# Altium PCB Electronic Load 20251104.PcbDoc (part 3 of 4) (continued)
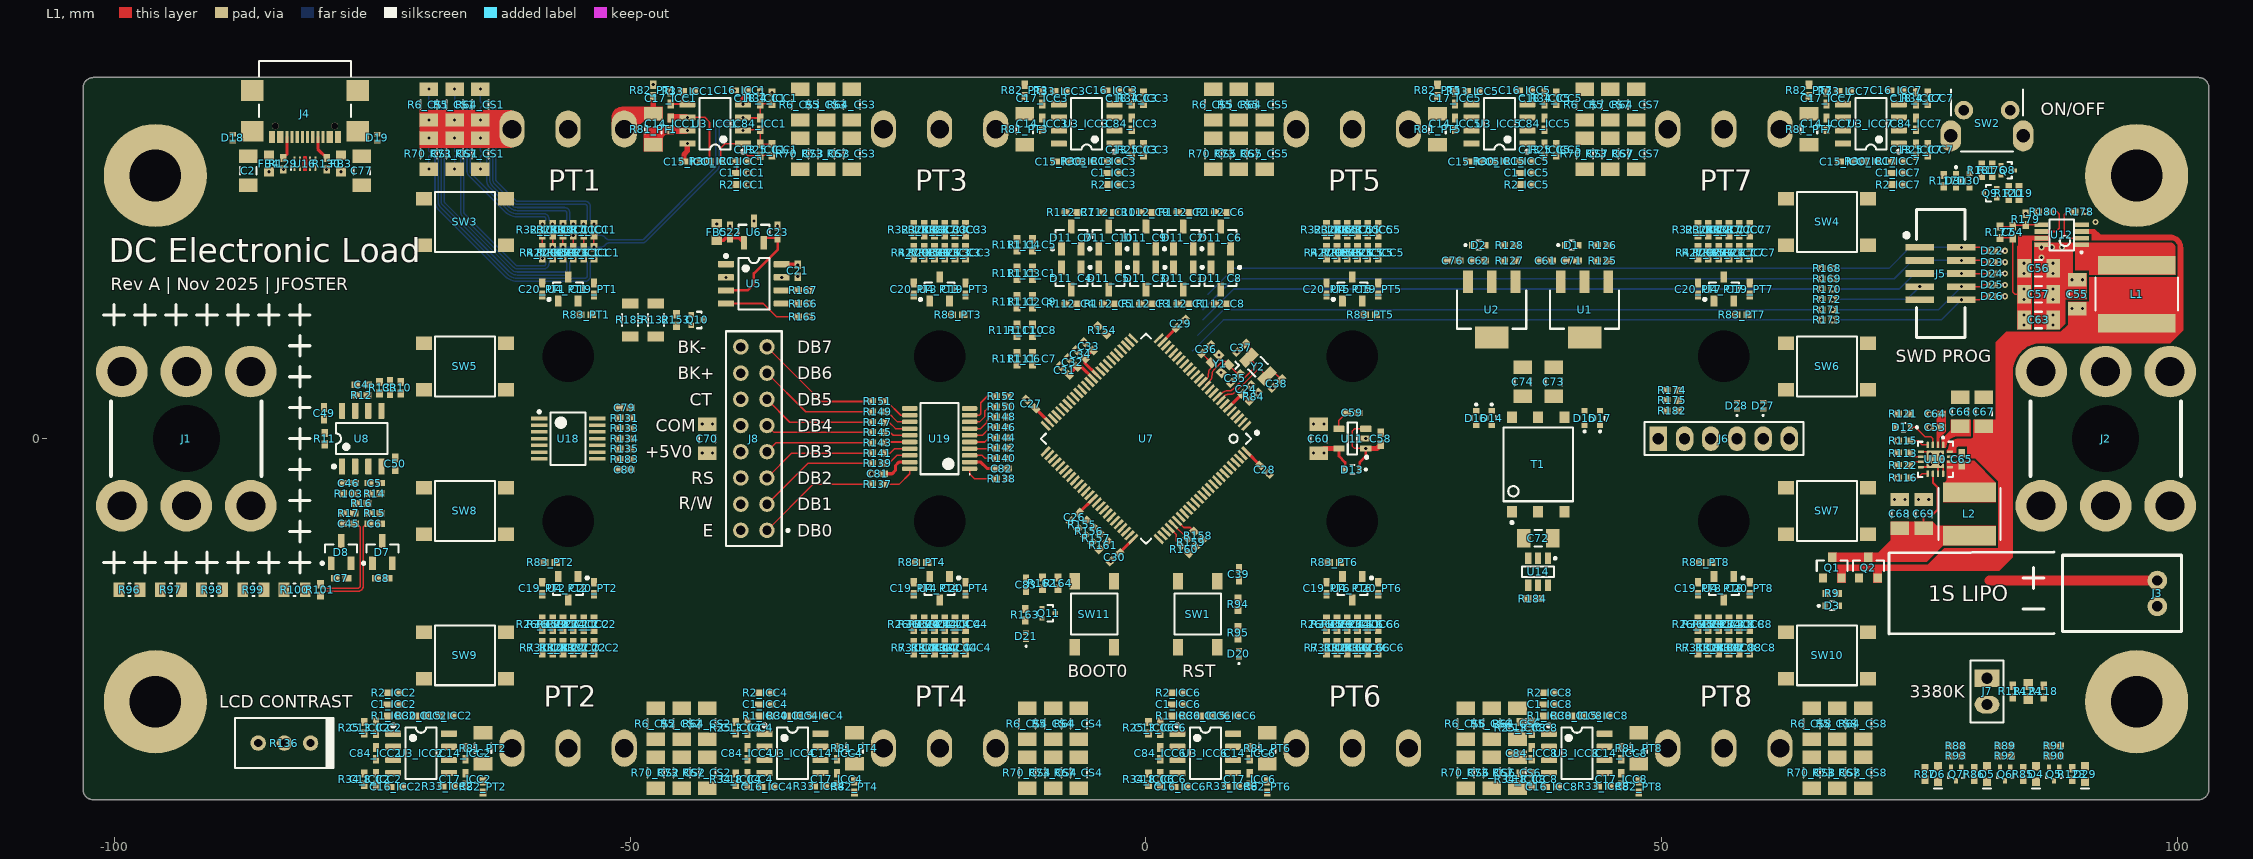
[diagram p0: L1 view]
## Nets (pads, with @x,y where several pads share a name; then routed paths per layer and width w, separated by ;. In a path a pad name is that pad's centre, name@x,y a point inside that pad or via, vN(x,y) a via of type N, cw(c..) or ccw(c..) an arc to the next point about the centre after c; other vN are vias at no path point)
5V0_EN: Q8.3 R178.2 U12.2 | length 4.9
  L1 w0.15: R178.2@89.95,22 89.25,22 89,21.75 89,19.75 89.325,19.425 U12.2@90.725,19.425
+3V00REF: C23.2 FB2.2 U5.3 U6.2 | length 10.2
  L1 w0.25: U5.3@-40.7,14.365 -38.635,14.365 -38,15 -38,16 -35.7,18.3 C23.2@-35.7,19.45 -37.05,19.45 U6.2@-37.05,18.975
+3V3: C20_PT1.2 C20_PT2.2 C20_PT3.2 C20_PT4.2 C20_PT5.2 C20_PT6.2 C20_PT7.2 C20_PT8.2 C21.2 C26.2 C27.2 C28.2 C29.2 C30.2 C60.2 C80.2 C82.2 C83.2 D11_C1.2 D11_C2.2 D11_C3.2 D11_C4.2 D11_C5.2 D11_C6.2 D11_C7.2 D11_C8.2 D11_C9.2 D11_C10.2 D13.2 FB1.2 FB5.2 R84.2 R85.2 R86.2 R87.2 R94.2 R117.2 R121.1 R154.2 R155.2 R156.2 R157.2 R158.2 R159.2 R160.2 R161.2 R162.1 R163.2 R165.1 R172.2 R182.2 U4_PT1.1 U4_PT2.1 U4_PT3.1 U4_PT4.1 U4_PT5.1 U4_PT6.1 U4_PT7.1 U4_PT8.1 U5.8 U7.24 U7.49 U7.64 U7.75 U7.100 U11.5 U18.1 U19.2 | length 18.4
  L1 w0.25: U11.5@18.7,-0.95 18.7,-1.7 19.3,-2.3 D13.2@19.3,-3
  L1 w0.3: U19.2@-17.1,-2.275 -16.01,-2.275 -15.385,-2.9 C82.2@-14.575,-2.9 ; C27.2@-10.73,2.952 U7.49@-9.369,1.591 ; C26.2@-6.488,-7.195 U7.64@-5.127,-5.834 ; C30.2@-2.599,-11.084 U7.75@-1.237,-9.723 ; U7.24@1.591,9.369 C29.2@2.952,10.73 ; U7.100@9.723,-1.237 C28.2@11.084,-2.599
  L1 w0.35: U5.8@-35.3,16.905 -33.81,16.905 v1(-33.75,16.845)
  L1 w0.5: C60.2@16.75,-1.4 17.2,-0.95 U11.5@18.7,-0.95
  other v1: 16.25,-1.4 17.25,-1.4 10.836,4.437 -32.65,11.825 65.45,13.5 -41.6,20.815
+5V0: C54.2 C56.2 C57.2 C58.2 C63.2 C70.2 C72.2 C79.2 C81.2 D13.1 J8.8 R132.2 R136.3 R177.2 R185.2 T1.2 U11.1 U11.3 U12.7 U14.2 U18.14 U19.19 | length 19.1
  L1 w0.15: v1(21.3,-0.95) 20.2,-0.95 20,-0.75 20,0.75 20.2,0.95 U11.3@21.3,0.95 ; R177.2@82.75,19.45 83.975,19.45 C54.2@84,19.425 84,14.2 84.2,14 C57.2@85.1,14
  L1 w0.25: D13.1@20.7,-3 20.7,-2.3 21.3,-1.7 v1(21.3,-0.95)
  L1 w0.3: C81.2@-25.425,-3.4 -24.602,-3.4 -24.268,-3.066 -24.268,-2.595 -23.948,-2.275 U19.19@-22.9,-2.275
  L1 w0.5: v1(21.3,-0.95) 22.375,-0.95 C58.2@22.75,-0.575
  other v1: -43,-1.4 -42,-1.4 85.1,11 85.1,12 85.1,13.5 85.1,14.5 85.1,16 85.1,17
+15VA: C7.2 C8.2 C15_ICC1.2 C15_ICC2.2 C15_ICC3.2 C15_ICC4.2 C15_ICC5.2 C15_ICC6.2 C15_ICC7.2 C15_ICC8.2 C49.2 C71.2 D1.2 D7.2 D8.2 R125.2 U1.2 U1.4 U3_ICC1.8 U3_ICC2.8 U3_ICC3.8 U3_ICC4.8 U3_ICC5.8 U3_ICC6.8 U3_ICC7.8 U3_ICC8.8 U8.8 | length 1.9
  L1 w0.5: C15_ICC1.2@-44.775,26.85 -44.775,27.548 -44.45,27.873 v1(-44.45,28.595)
+19V: C61.2 C73.2 D1.1 D15.2 D17.2 U1.3
-5V0A: C7.1 C8.1 C16_ICC1.2 C16_ICC2.2 C16_ICC3.2 C16_ICC4.2 C16_ICC5.2 C16_ICC6.2 C16_ICC7.2 C16_ICC8.2 C50.2 C76.2 D2.1 D7.1 D8.1 R127.2 U2.3 U3_ICC1.4 U3_ICC2.4 U3_ICC3.4 U3_ICC4.4 U3_ICC5.4 U3_ICC6.4 U3_ICC7.4 U3_ICC8.4 U8.4 | length 1.5
  L1 w0.5: v1(-39.05,32.405) -39.05,32.9 -38.725,33.225 C16_ICC1.2@-38.725,33.75
-19V: C62.2 C74.2 D2.2 D14.1 D16.1 U2.2 U2.4
ADC.CH1: R112_C1.1 U7.20
ADC.CH2: R112_C2.1 U7.21
ADC.CH3: R112_C3.1 U7.22
ADC.CH4: R112_C4.1 U7.25
ADC.CH5: R112_C5.1 U7.27
ADC.CH6: R112_C6.1 U7.15
ADC.CH7: R112_C7.1 U7.16
ADC.CH8: R112_C8.1 U7.17
ADC.CH9: R112_C9.1 U7.18
ADC.CH10: R112_C10.1 U7.30
BOOT0: Q11.3 R162.2 U7.95
BTN.B1: R154.1 SW3.3 SW3.4 U7.31
BTN.B2: R155.1 SW5.3 SW5.4 U7.65
BTN.B3: R156.1 SW8.3 SW8.4 U7.66
BTN.B4: R157.1 SW9.3 SW9.4 U7.67
BTN.B5: R161.1 SW4.3 SW4.4 U7.68
BTN.B6: R160.1 SW6.3 SW6.4 U7.79 | length 2.1
  L1 w0.15: U7.79@2.298,-8.662 2.952,-9.316 2.952,-9.953 R160.1@3.341,-10.341
BTN.B7: R159.1 SW7.3 SW7.4 U7.80 | length 1.9
  L1 w0.15: U7.80@2.652,-8.308 R159.1@4.013,-9.67
BTN.B8: R158.1 SW10.3 SW10.4 U7.81 | length 2.1
  L1 w0.15: U7.81@3.005,-7.955 3.659,-8.609 4.296,-8.609 R158.1@4.685,-8.998
COM: C1_ICC1.1 C1_ICC2.1 C1_ICC3.1 C1_ICC4.1 C1_ICC5.1 C1_ICC6.1 C1_ICC7.1 C1_ICC8.1 C2.1 C3.1 C5.1 C15_ICC1.1 C15_ICC2.1 C15_ICC3.1 C15_ICC4.1 C15_ICC5.1 C15_ICC6.1 C15_ICC7.1 C15_ICC8.1 C16_ICC1.1 C16_ICC2.1 C16_ICC3.1 C16_ICC4.1 C16_ICC5.1 C16_ICC6.1 C16_ICC7.1 C16_ICC8.1 C17_ICC1.1 C17_ICC2.1 C17_ICC3.1 C17_ICC4.1 C17_ICC5.1 C17_ICC6.1 C17_ICC7.1 C17_ICC8.1 C18_ICC1.1 C18_ICC2.1 C18_ICC3.1 C18_ICC4.1 C18_ICC5.1 C18_ICC6.1 C18_ICC7.1 C18_ICC8.1 C19_PT1.1 C19_PT2.1 C19_PT3.1 C19_PT4.1 C19_PT5.1 C19_PT6.1 C19_PT7.1 C19_PT8.1 C20_PT1.1 C20_PT2.1 C20_PT3.1 C20_PT4.1 C20_PT5.1 C20_PT6.1 C20_PT7.1 C20_PT8.1 C21.1 C22.1 C23.1 C24.1 C26.1 C27.1 C28.1 C29.1 C30.1 C31.1 C32.1 C33.1 C34.1 C35.1 C36.1 C37.1 C38.1 C39.1 C49.1 C50.1 C53.1 C55.1 C56.1 C57.1 C58.1 C59.1 C60.1 C61.1 C62.1 C63.1 C64.1 C66.1 C67.1 C68.1 C69.1 C70.1 C71.1 C72.1 C73.1 C74.1 C76.1 C77.1 C79.1 C80.1 C81.1 C82.1 D11_C1.1 D11_C2.1 D11_C3.1 D11_C4.1 D11_C5.1 D11_C6.1 D11_C7.1 D11_C8.1 D11_C9.1 D11_C10.1 D18.2 D19.2 D20.1 D21.1 D22.1 D23.1 D24.1 D25.1 D26.1 D27.2 D28.2 J3.2 J4.0 J4.A1/B12 J4.A12/B1 J5.1 J5.3 J5.5 J5.9 J6.1 J7.2 J8.10 pad.@96,25.5 pad.@96,-25.5 pad.@-96,25.5 pad.@-96,-25.5 Q5.2 Q6.2 Q7.2 Q9.2 Q10.2 Q11.2 R2_ICC1.1 R2_ICC2.1 R2_ICC3.1 R2_ICC4.1 R2_ICC5.1 R2_ICC6.1 R2_ICC7.1 R2_ICC8.1 R9.1 R10.2 R13.1 R14.2 R34_ICC1.1 R34_ICC2.1 R34_ICC3.1 R34_ICC4.1 R34_ICC5.1 R34_ICC6.1 R34_ICC7.1 R34_ICC8.1 R82_PT1.1 R82_PT2.1 R82_PT3.1 R82_PT4.1 R82_PT5.1 R82_PT6.1 R82_PT7.1 R82_PT8.1 R91.1 R92.1 R93.1 R115.1 R116.2 R118.1 R120.2 R124.1 R126.1 R128.1 R129.1 R130.1 R136.1 R153.1 R166.2 R167.2 R178.1 R179.1 R180.1 R183.1 R184.2 SW1.1 SW1.2 SW2.0 SW2.1 SW3.1 SW3.2 SW4.1 SW4.2 SW5.1 SW5.2 SW6.1 SW6.2 SW7.1 SW7.2 SW8.1 SW8.2 SW9.1 SW9.2 SW10.1 SW10.2 SW11.1 SW11.2 T1.5 U4_PT1.3 U4_PT2.3 U4_PT3.3 U4_PT4.3 U4_PT5.3 U4_PT6.3 U4_PT7.3 U4_PT8.3 U5.2 U5.7 U6.3 U7.23 U7.35 U7.48 U7.63 U7.74 U7.99 U10.5 U10.8 U10.11 U10.12 U10.17 U11.2 U12.4 U12.8 U14.4 U14.6 U16.3 U16.4 U16.5 U16.6 U16.7 U16.8 U18.7 U19.11 Y1.2 Y1.4 | length 4
  L1 w0.15: U10.8@75.1,-2.75 75.75,-2.75 v1(76,-2.5) ; U10.5@75.1,-1.25 75.75,-1.25 v1(76,-1.5) ; U10.11@76.75,-3.4 76.75,-2.75 v1(77,-2.5) 77.25,-2.75 U10.12@77.25,-3.4
  other v1: -3.412,-11.897 -7.301,-8.008 72.55,-5.9 73.55,-5.9 74.85,-5.9 75.85,-5.9 72.85,-3.8 -26.575,-3.4 11.897,-3.412 77,-1.5 72.85,-0.2 21.3,0 75.925,1.1 -43,1.4 -42,1.4 16.25,1.4 17.25,1.4 75.925,2.4 20.575,2.5 -11.544,3.765 12.286,4.932 10.129,5.18 8.255,5.427 7.283,6.399 -8.291,7.018 -7.513,7.796 7.071,8.096 8.821,8.397 -6.735,8.574 6.24,9.069 -5.957,9.351 87.9,11 3.765,11.544 87.9,12 -32.65,13.095 87.9,13.5 83.25,13.8 -32.65,14.365 87.9,14.5 83.25,14.9 89.75,15.4 90.75,15.4 -40.7,15.635 -35.3,15.635 -33.75,15.695 83.25,16 87.9,16 87.9,17 83.25,17.1 86.775,17.55 83.25,18.2 86.775,18.55 87.775,18.55 88.775,18.55 -40.3,20.6 -35.7,20.6 92,21 -38,21.075 85.25,21.8 86.45,22 91.05,22 -38.575,24.625 -38.55,25.75 -83.6,26.1 -79.4,26.1 -43.625,26.85 -36.25,33.55 -46.05,33.575 -37.375,33.575 -39.875,33.75 -47.75,34.3
DAC.CS_N: R165.2 U5.4 U7.2 | length 7.5
  L1 w0.15: U5.4@-40.7,13.095 -37.095,13.095 -35.825,11.825 R165.2@-33.75,11.825
DAC.SCLK: R166.1 U5.5 U7.1 | length 1.6
  L1 w0.15: U5.5@-35.3,13.095 R166.1@-33.75,13.095
DAC.SDI: R167.1 U5.6 U7.5 | length 1.6
  L1 w0.15: U5.6@-35.3,14.365 R167.1@-33.75,14.365
FTDI.RXD: D27.1 J6.5 R174.1
FTDI.TXD: D28.1 J6.4 R175.1
GPWR_EN: R184.1 U7.7 U14.5
LATCH: R119.1 U7.71
LCD.BKLT: U7.85 U18.5
LCD.DB0: R138.2 U7.86
LCD.DB1: R140.2 U7.87
LCD.DB2: R142.2 U7.88
LCD.DB3: R144.2 U7.89
LCD.DB4: R146.2 U7.55
LCD.DB5: R148.2 U7.56
LCD.DB6: R150.2 U7.57
LCD.DB7: R152.2 U7.58
LCD.E: U7.84 U18.4
LCD.OE: R183.2 U7.59 U18.8 U19.10
LCD.R/W: U7.83 U18.3
LCD.RS: U7.82 U18.2
LOAD+: J1.1 J1.2 J1.3 J1.4 J1.5 J1.6 Q4_PT1.2 Q4_PT2.2 Q4_PT3.2 Q4_PT4.2 Q4_PT5.2 Q4_PT6.2 Q4_PT7.2 Q4_PT8.2 R96.2
LOAD-: C45.2 J2.1 J2.2 J2.3 J2.4 J2.5 J2.6 NT2_CS1.2 NT2_CS2.2 NT2_CS3.2 NT2_CS4.2 NT2_CS5.2 NT2_CS6.2 NT2_CS7.2 NT2_CS8.2 NT4_CS1.2 NT4_CS2.2 NT4_CS3.2 NT4_CS4.2 NT4_CS5.2 NT4_CS6.2 NT4_CS7.2 NT4_CS8.2 NT6_CS1.2 NT6_CS2.2 NT6_CS3.2 NT6_CS4.2 NT6_CS5.2 NT6_CS6.2 NT6_CS7.2 NT6_CS8.2 NT8_CS1.2 NT8_CS2.2 NT8_CS3.2 NT8_CS4.2 NT8_CS5.2 NT8_CS6.2 NT8_CS7.2 NT8_CS8.2 NT10_CS1.2 NT10_CS2.2 NT10_CS3.2 NT10_CS4.2 NT10_CS5.2 NT10_CS6.2 NT10_CS7.2 NT10_CS8.2 NT12_CS1.2 NT12_CS2.2 NT12_CS3.2 NT12_CS4.2 NT12_CS5.2 NT12_CS6.2 NT12_CS7.2 NT12_CS8.2 R5_CS1.1 R5_CS2.1 R5_CS3.1 R5_CS4.1 R5_CS5.1 R5_CS6.1 R5_CS7.1 R5_CS8.1 R6_CS1.1 R6_CS2.1 R6_CS3.1 R6_CS4.1 R6_CS5.1 R6_CS6.1 R6_CS7.1 R6_CS8.1 R17.1 R64_CS1.1 R64_CS2.1 R64_CS3.1 R64_CS4.1 R64_CS5.1 R64_CS6.1 R64_CS7.1 R64_CS8.1 R67_CS1.1 R67_CS2.1 R67_CS3.1 R67_CS4.1 R67_CS5.1 R67_CS6.1 R67_CS7.1 R67_CS8.1 R70_CS1.1 R70_CS2.1 R70_CS3.1 R70_CS4.1 R70_CS5.1 R70_CS6.1 R70_CS7.1 R70_CS8.1 R73_CS1.1 R73_CS2.1 R73_CS3.1 R73_CS4.1 R73_CS5.1 R73_CS6.1 R73_CS7.1 R73_CS8.1 R101.1 | length 10.5
  L1 w0.15: R101.1@-80,-14.1 -79.6,-14.5 -76.4,-14.5 ccw(c-76.4,-14.25) -76.15,-14.25 -76.15,-8.569 -76.469,-8.25 C45.2@-76.695,-8.25
  other v1: -69.5,26.125 -67,26.125 -64.5,26.125 -69.5,33.875 -67,33.875 -64.5,33.875
NetC1_ICC1_2: C1_ICC1.2 R1_ICC1.1 R2_ICC1.2 R111_C1.2 | length 1.1
  L1 w0.15: C1_ICC1.2@-39.7,25.75 -39.675,25.775 R1_ICC1.1@-39.675,26.875
NetC1_ICC2_2: C1_ICC2.2 R1_ICC2.1 R2_ICC2.2 R111_C2.2
NetC1_ICC3_2: C1_ICC3.2 R1_ICC3.1 R2_ICC3.2 R111_C3.2
NetC1_ICC4_2: C1_ICC4.2 R1_ICC4.1 R2_ICC4.2 R111_C4.2
NetC1_ICC5_2: C1_ICC5.2 R1_ICC5.1 R2_ICC5.2 R111_C5.2
NetC1_ICC6_2: C1_ICC6.2 R1_ICC6.1 R2_ICC6.2 R111_C6.2
NetC1_ICC7_2: C1_ICC7.2 R1_ICC7.1 R2_ICC7.2 R111_C7.2
NetC1_ICC8_2: C1_ICC8.2 R1_ICC8.1 R2_ICC8.2 R111_C8.2
NetC2_2: C2.2 C77.2 D18.1 D19.1 FB3.1 FB4.1 J4.A4/B9 J4.A9/B4
NetC3_2: C3.2 R10.1 R11.2 U8.5
NetC4_1: C4.1 R12.2 R111_C9.2 U8.7
NetC4_2: C4.2 R12.1 R13.2 U8.6
NetC5_2: C5.2 C6.1 D7.3 R14.1 R15.2 R16.2 U8.3
NetC6_2: C6.2 R15.1 R100.1 R101.2 | length 11
  L1 w0.15: R101.2@-80,-15.2 -79.6,-14.8 -76.4,-14.8 ccw(c-76.4,-14.25) -75.85,-14.25 -75.85,-8.569 -75.531,-8.25 C6.2@-75.305,-8.25
NetC13_ICC1_1: C13_ICC1.1 R1_ICC1.2 R25_ICC1.1 R30_ICC1.2 U3_ICC1.1 | length 7.9
  L1 w0.15: R30_ICC1.2@-41.2,26.875 -41.2,28.175 -40.78,28.595 U3_ICC1.1@-39.05,28.595 -39.05,27.9 -38.575,27.425 ; R1_ICC1.2@-38.575,26.875 -38.575,27.425 ; R25_ICC1.1@-36.25,27.45 -37.35,27.45 C13_ICC1.1@-37.375,27.425 -38.575,27.425
NetC13_ICC1_2: C13_ICC1.2 C84_ICC1.2 R3_ICC1.1 R7_ICC1.1 R25_ICC1.2 R26_ICC1.1 R27_ICC1.1 R28_ICC1.1 R29_ICC1.1 U3_ICC1.2 | length 33.4
  L1 w0.15: v1(-57.5,18.55) R3_ICC1.1@-57.5,19.7 ; v1(-56.5,18.55) R28_ICC1.1@-56.5,19.7 ; v1(-53.5,18.55) R7_ICC1.1@-53.5,19.7 ; v1(-39.05,29.865) -38.99,29.925 C84_ICC1.2@-37.375,29.925 C13_ICC1.2@-37.375,28.575 -37.35,28.55 R25_ICC1.2@-36.25,28.55
  L6 w0.15: v1(-57.5,18.55) v1(-56.5,18.55) v1(-53.5,18.55) -52.839,18.55 ccw(c-52.839,19.05) -52.486,18.696 -52.354,18.829 cw(c-52,18.475) -52,18.975 -48.808,18.975 ccw(c-48.808,19.475) -48.454,19.121 -41.521,26.054 ccw(c-41.875,26.408) -41.375,26.408 -41.375,30.15 cw(c-41.175,30.15) -41.175,30.35 -39.742,30.35 cw(c-39.742,29.85) -39.389,30.204 v1(-39.05,29.865)
NetC13_ICC2_1: C13_ICC2.1 R1_ICC2.2 R25_ICC2.1 R30_ICC2.2 U3_ICC2.1
NetC13_ICC2_2: C13_ICC2.2 C84_ICC2.2 R3_ICC2.1 R7_ICC2.1 R25_ICC2.2 R26_ICC2.1 R27_ICC2.1 R28_ICC2.1 R29_ICC2.1 U3_ICC2.2
NetC13_ICC3_1: C13_ICC3.1 R1_ICC3.2 R25_ICC3.1 R30_ICC3.2 U3_ICC3.1
NetC13_ICC3_2: C13_ICC3.2 C84_ICC3.2 R3_ICC3.1 R7_ICC3.1 R25_ICC3.2 R26_ICC3.1 R27_ICC3.1 R28_ICC3.1 R29_ICC3.1 U3_ICC3.2
NetC13_ICC4_1: C13_ICC4.1 R1_ICC4.2 R25_ICC4.1 R30_ICC4.2 U3_ICC4.1
NetC13_ICC4_2: C13_ICC4.2 C84_ICC4.2 R3_ICC4.1 R7_ICC4.1 R25_ICC4.2 R26_ICC4.1 R27_ICC4.1 R28_ICC4.1 R29_ICC4.1 U3_ICC4.2
NetC13_ICC5_1: C13_ICC5.1 R1_ICC5.2 R25_ICC5.1 R30_ICC5.2 U3_ICC5.1
NetC13_ICC5_2: C13_ICC5.2 C84_ICC5.2 R3_ICC5.1 R7_ICC5.1 R25_ICC5.2 R26_ICC5.1 R27_ICC5.1 R28_ICC5.1 R29_ICC5.1 U3_ICC5.2
NetC13_ICC6_1: C13_ICC6.1 R1_ICC6.2 R25_ICC6.1 R30_ICC6.2 U3_ICC6.1
NetC13_ICC6_2: C13_ICC6.2 C84_ICC6.2 R3_ICC6.1 R7_ICC6.1 R25_ICC6.2 R26_ICC6.1 R27_ICC6.1 R28_ICC6.1 R29_ICC6.1 U3_ICC6.2
NetC13_ICC7_1: C13_ICC7.1 R1_ICC7.2 R25_ICC7.1 R30_ICC7.2 U3_ICC7.1
NetC13_ICC7_2: C13_ICC7.2 C84_ICC7.2 R3_ICC7.1 R7_ICC7.1 R25_ICC7.2 R26_ICC7.1 R27_ICC7.1 R28_ICC7.1 R29_ICC7.1 U3_ICC7.2
NetC13_ICC8_1: C13_ICC8.1 R1_ICC8.2 R25_ICC8.1 R30_ICC8.2 U3_ICC8.1
NetC13_ICC8_2: C13_ICC8.2 C84_ICC8.2 R3_ICC8.1 R7_ICC8.1 R25_ICC8.2 R26_ICC8.1 R27_ICC8.1 R28_ICC8.1 R29_ICC8.1 U3_ICC8.2
NetC14_ICC1_1: C14_ICC1.1 R30_ICC1.1 U3_ICC1.6 | length 6.1
  L1 w0.15: v1(-44.45,31.135) -42.76,31.135 -42.3,30.675 R30_ICC1.1@-42.3,26.875
NetC14_ICC1_2: C14_ICC1.2 R81_PT1.1 U3_ICC1.7
  other v1: -44.45,29.865
NetC14_ICC2_1: C14_ICC2.1 R30_ICC2.1 U3_ICC2.6
NetC14_ICC2_2: C14_ICC2.2 R81_PT2.1 U3_ICC2.7
NetC14_ICC3_1: C14_ICC3.1 R30_ICC3.1 U3_ICC3.6
NetC14_ICC3_2: C14_ICC3.2 R81_PT3.1 U3_ICC3.7
NetC14_ICC4_1: C14_ICC4.1 R30_ICC4.1 U3_ICC4.6
NetC14_ICC4_2: C14_ICC4.2 R81_PT4.1 U3_ICC4.7
NetC14_ICC5_1: C14_ICC5.1 R30_ICC5.1 U3_ICC5.6
NetC14_ICC5_2: C14_ICC5.2 R81_PT5.1 U3_ICC5.7
NetC14_ICC6_1: C14_ICC6.1 R30_ICC6.1 U3_ICC6.6
NetC14_ICC6_2: C14_ICC6.2 R81_PT6.1 U3_ICC6.7
NetC14_ICC7_1: C14_ICC7.1 R30_ICC7.1 U3_ICC7.6
NetC14_ICC7_2: C14_ICC7.2 R81_PT7.1 U3_ICC7.7
NetC14_ICC8_1: C14_ICC8.1 R30_ICC8.1 U3_ICC8.6
NetC14_ICC8_2: C14_ICC8.2 R81_PT8.1 U3_ICC8.7
NetC17_ICC1_2: C17_ICC1.2 R33_ICC1.2 U3_ICC1.5 | length 2.9
  L1 w0.2: C17_ICC1.2@-46.05,32.425 U3_ICC1.5@-44.9,32.425 ; R33_ICC1.2@-44.9,33.675 U3_ICC1.5@-44.9,32.425 ; U3_ICC1.5@-44.45,32.405 -44.47,32.425 U3_ICC1.5@-44.9,32.425
NetC17_ICC2_2: C17_ICC2.2 R33_ICC2.2 U3_ICC2.5
NetC17_ICC3_2: C17_ICC3.2 R33_ICC3.2 U3_ICC3.5
NetC17_ICC4_2: C17_ICC4.2 R33_ICC4.2 U3_ICC4.5
NetC17_ICC5_2: C17_ICC5.2 R33_ICC5.2 U3_ICC5.5
NetC17_ICC6_2: C17_ICC6.2 R33_ICC6.2 U3_ICC6.5
NetC17_ICC7_2: C17_ICC7.2 R33_ICC7.2 U3_ICC7.5
NetC17_ICC8_2: C17_ICC8.2 R33_ICC8.2 U3_ICC8.5
NetC18_ICC1_2: C18_ICC1.2 C84_ICC1.1 R4_ICC1.1 R8_ICC1.1 R31_ICC1.1 R32_ICC1.1 R34_ICC1.2 R35_ICC1.1 R36_ICC1.1 U3_ICC1.3 | length 34.4
  L1 w0.15: R4_ICC1.1@-58.5,18.55 v1(-58.5,19.7) ; R35_ICC1.1@-55.5,18.55 v1(-55.5,19.7) ; R36_ICC1.1@-54.5,18.55 v1(-54.5,19.7) ; v1(-39.05,31.135) -38.99,31.075 C84_ICC1.1@-37.375,31.075 C18_ICC1.2@-37.375,32.425 -37.35,32.45 R34_ICC1.2@-36.25,32.45
  L6 w0.15: v1(-58.5,19.7) v1(-55.5,19.7) v1(-54.5,19.7) -52.839,19.7 cw(c-52.839,19.2) -52.486,19.554 -52.354,19.421 ccw(c-52,19.775) -52,19.275 -48.808,19.275 ccw(c-48.808,19.475) -48.666,19.334 -41.734,26.266 ccw(c-41.875,26.408) -41.675,26.408 -41.675,30.15 cw(c-41.175,30.15) -41.175,30.65 -39.742,30.65 ccw(c-39.742,31.15) -39.389,30.796 v1(-39.05,31.135)
NetC18_ICC2_2: C18_ICC2.2 C84_ICC2.1 R4_ICC2.1 R8_ICC2.1 R31_ICC2.1 R32_ICC2.1 R34_ICC2.2 R35_ICC2.1 R36_ICC2.1 U3_ICC2.3
NetC18_ICC3_2: C18_ICC3.2 C84_ICC3.1 R4_ICC3.1 R8_ICC3.1 R31_ICC3.1 R32_ICC3.1 R34_ICC3.2 R35_ICC3.1 R36_ICC3.1 U3_ICC3.3
NetC18_ICC4_2: C18_ICC4.2 C84_ICC4.1 R4_ICC4.1 R8_ICC4.1 R31_ICC4.1 R32_ICC4.1 R34_ICC4.2 R35_ICC4.1 R36_ICC4.1 U3_ICC4.3
NetC18_ICC5_2: C18_ICC5.2 C84_ICC5.1 R4_ICC5.1 R8_ICC5.1 R31_ICC5.1 R32_ICC5.1 R34_ICC5.2 R35_ICC5.1 R36_ICC5.1 U3_ICC5.3
NetC18_ICC6_2: C18_ICC6.2 C84_ICC6.1 R4_ICC6.1 R8_ICC6.1 R31_ICC6.1 R32_ICC6.1 R34_ICC6.2 R35_ICC6.1 R36_ICC6.1 U3_ICC6.3
NetC18_ICC7_2: C18_ICC7.2 C84_ICC7.1 R4_ICC7.1 R8_ICC7.1 R31_ICC7.1 R32_ICC7.1 R34_ICC7.2 R35_ICC7.1 R36_ICC7.1 U3_ICC7.3
NetC18_ICC8_2: C18_ICC8.2 C84_ICC8.1 R4_ICC8.1 R8_ICC8.1 R31_ICC8.1 R32_ICC8.1 R34_ICC8.2 R35_ICC8.1 R36_ICC8.1 U3_ICC8.3
NetC22_2: C22.2 FB5.1 U6.1 | length 2.9
  L1 w0.35: FB5.1@-41.6,19.235 -40.948,19.235 -40.733,19.45 C22.2@-40.3,19.45 -39.425,19.45 U6.1@-38.95,18.975
NetC24_2: C24.2 R84.1 U7.6 | length 3
  L1 w0.3: U7.6@7.955,3.005 C24.2@9.316,4.366 10.023,3.659 R84.1@10.059,3.659
NetC31_2: C31.2 C32.2 FB1.1 U7.37 | length 3.1
  L1 w0.3: C31.2@-7.478,6.205 C32.2@-6.7,6.983 -6.276,6.983 U7.37@-5.127,5.834
NetC33_2: C33.2 C34.2 FB2.1 U7.36 | length 3.1
  L1 w0.3: C33.2@-5.144,8.538 C34.2@-5.922,7.76 -5.922,7.336 U7.36@-4.773,6.187
NetC45_1: C45.1 C46.2 D8.3 R16.1 R17.2 R103.1 U8.2
NetC46_1: C46.1 R11.1 R103.2 R111_C10.2 U8.1
NetC54_1: C54.1 R177.1 R179.2 U12.5 | length 4.1
  L1 w0.15: R177.1@82.75,20.55 83.975,20.55 C54.1@84,20.575 84.125,20.7 R179.2@85.25,20.7 85.275,20.725 U12.5@86.775,20.725
NetC59_2: C59.2 U11.4 | length 1.9
  L1 w0.15: U11.4@18.7,0.95 18.7,1.775 C59.2@19.425,2.5
NetC65_1: C65.1 L2.2 U10.13 U10.14
NetC65_2: C65.2 U10.15 | length 1.3
  L1 w0.2: U10.15@77.9,-1.75 78.725,-1.75 C65.2@79.05,-1.425
NetC83_1: C83.1 Q11.1 R163.1 R164.2
NetD3_1: D3.1 Q1.1 Q2.1 R9.2
NetD4_A: D4.A R85.1
NetD4_C: D4.C Q5.3
NetD5_A: D5.A R86.1
NetD5_C: D5.C Q6.3
NetD6_A: D6.A R87.1
NetD6_C: D6.C Q7.3
NetD11_C1_3: D11_C1.3 R111_C1.1 R112_C1.2
NetD11_C2_3: D11_C2.3 R111_C2.1 R112_C2.2
NetD11_C3_3: D11_C3.3 R111_C3.1 R112_C3.2
NetD11_C4_3: D11_C4.3 R111_C4.1 R112_C4.2
NetD11_C5_3: D11_C5.3 R111_C5.1 R112_C5.2
NetD11_C6_3: D11_C6.3 R111_C6.1 R112_C6.2
NetD11_C7_3: D11_C7.3 R111_C7.1 R112_C7.2
NetD11_C8_3: D11_C8.3 R111_C8.1 R112_C8.2
NetD11_C9_3: D11_C9.3 R111_C9.1 R112_C9.2
NetD11_C10_3: D11_C10.3 R111_C10.1 R112_C10.2
NetD12_1: D12.1 R123.1 U10.3 | length 3.2
  L1 w0.15: D12.1@74.1,1.1 74.581,1.1 75.502,0.178 76.075,0.178 76.25,0.004 U10.3@76.25,-0.6
NetD14_2: D14.2 D15.1 T1.4
NetD16_2: D16.2 D17.1 T1.6
NetD20_2: D20.2 R95.1 SW1.3 SW1.4
NetD21_2: D21.2 R164.1 SW11.3 SW11.4
NetD22_2: D22.2 J5.2 R168.2 | length 16.1
  L1 w0.15: v1(79.02,18.54) 80.832,18.54 81.172,18.2 D22.2@81.65,18.2
  L6 w0.15: v1(66.55,16.5) 72,16.5 74.04,18.54 v1(79.02,18.54)
NetD23_2: D23.2 J5.4 R169.2 | length 15.9
  L1 w0.15: v1(79.02,17.27) 80.875,17.27 81.045,17.1 D23.2@81.65,17.1
  L6 w0.15: v1(66.55,15.5) 72.5,15.5 74.27,17.27 v1(79.02,17.27)
NetD24_2: D24.2 J5.6 R170.2 | length 15.7
  L1 w0.15: v1(79.02,16) D24.2@81.65,16
  L6 w0.15: v1(66.55,14.5) 73,14.5 74.5,16 v1(79.02,16)
NetD25_2: D25.2 J5.8 R171.2 | length 16.1
  L1 w0.15: v1(79.02,14.73) 80.875,14.73 81.045,14.9 D25.2@81.65,14.9
  L6 w0.15: v1(66.55,12.5) 76.79,12.5 v1(79.02,14.73)
NetD26_2: D26.2 J5.10 R173.2 | length 16.1
  L1 w0.15: v1(79.02,13.46) 80.832,13.46 81.172,13.8 D26.2@81.65,13.8
  L6 w0.15: v1(66.55,11.5) 77.06,11.5 v1(79.02,13.46)
NetD29_C: D29.C R123.2
NetD30_1: D30.1 D31.1 SW2.2
NetD30_2: D30.2 Q9.3 R181.2
NetJ4_A5: J4.A5 R130.2 | length 2.4
  L1 w0.3: J4.A5@-80.25,29.229 -80.25,28.05 R130.2@-79.4,27.2
NetJ4_B5: J4.B5 R129.2 | length 2.2
  L1 w0.3: R129.2@-83.6,27.2 -83.25,27.55 J4.B5@-83.25,29.229
NetJ5_7: J5.7 R172.1 | length 8.9
  L6 w0.15: v1(66.55,13.5) 73.75,13.5 v1(74.98,14.73)
NetJ6_3: J6.3 R182.1
NetJ7_1: J7.1 R114.1 R118.2 R122.1 R124.2
NetJ8_1: J8.1 R137.1 | length 12
  L1 w0.15: J8.1@-36.73,-8.89 -32.24,-4.4 R137.1@-26.55,-4.4
NetJ8_2: J8.2 R134.1
NetJ8_3: J8.3 R139.1 | length 11.8
  L1 w0.15: J8.3@-36.73,-6.35 -32.78,-2.4 R139.1@-26.55,-2.4
NetJ8_4: J8.4 R133.1
NetJ8_5: J8.5 R141.1 | length 11.2
  L1 w0.15: J8.5@-36.73,-3.81 -34.32,-1.4 R141.1@-26.55,-1.4
NetJ8_6: J8.6 R131.1
NetJ8_7: J8.7 R143.1 | length 10.5
  L1 w0.15: J8.7@-36.73,-1.27 -35.86,-0.4 R143.1@-26.55,-0.4
NetJ8_9: J8.9 R145.1 | length 10.5
  L1 w0.15: J8.9@-36.73,1.27 -36.06,0.6 R145.1@-26.55,0.6
NetJ8_11: J8.11 R147.1 | length 11.1
  L1 w0.15: J8.11@-36.73,3.81 -34.52,1.6 R147.1@-26.55,1.6
NetJ8_12: J8.12 R136.2
NetJ8_13: J8.13 R149.1 | length 11.7
  L1 w0.15: J8.13@-36.73,6.35 -32.98,2.6 R149.1@-26.55,2.6
NetJ8_14: J8.14 R132.1 R185.1
NetJ8_15: J8.15 R151.1 | length 12.4
  L1 w0.15: J8.15@-36.73,8.89 -31.44,3.6 R151.1@-26.55,3.6
NetJ8_16: J8.16 Q10.3
NetL1_2: L1.2 U12.1
NetNT1_CS1_2: NT1_CS1.2 NT3_CS1.2 NT5_CS1.2 NT7_CS1.2 NT9_CS1.2 NT11_CS1.2 Q4_PT1.3 R5_CS1.2 R6_CS1.2 R64_CS1.2 R67_CS1.2 R70_CS1.2 R73_CS1.2
  other v1: -69.5,29.125 -67,29.125 -64.5,29.125 -69.5,30.875 -67,30.875 -64.5,30.875
NetNT1_CS2_2: NT1_CS2.2 NT3_CS2.2 NT5_CS2.2 NT7_CS2.2 NT9_CS2.2 NT11_CS2.2 Q4_PT2.3 R5_CS2.2 R6_CS2.2 R64_CS2.2 R67_CS2.2 R70_CS2.2 R73_CS2.2
NetNT1_CS3_2: NT1_CS3.2 NT3_CS3.2 NT5_CS3.2 NT7_CS3.2 NT9_CS3.2 NT11_CS3.2 Q4_PT3.3 R5_CS3.2 R6_CS3.2 R64_CS3.2 R67_CS3.2 R70_CS3.2 R73_CS3.2
NetNT1_CS4_2: NT1_CS4.2 NT3_CS4.2 NT5_CS4.2 NT7_CS4.2 NT9_CS4.2 NT11_CS4.2 Q4_PT4.3 R5_CS4.2 R6_CS4.2 R64_CS4.2 R67_CS4.2 R70_CS4.2 R73_CS4.2
NetNT1_CS5_2: NT1_CS5.2 NT3_CS5.2 NT5_CS5.2 NT7_CS5.2 NT9_CS5.2 NT11_CS5.2 Q4_PT5.3 R5_CS5.2 R6_CS5.2 R64_CS5.2 R67_CS5.2 R70_CS5.2 R73_CS5.2
NetNT1_CS6_2: NT1_CS6.2 NT3_CS6.2 NT5_CS6.2 NT7_CS6.2 NT9_CS6.2 NT11_CS6.2 Q4_PT6.3 R5_CS6.2 R6_CS6.2 R64_CS6.2 R67_CS6.2 R70_CS6.2 R73_CS6.2
NetNT1_CS7_2: NT1_CS7.2 NT3_CS7.2 NT5_CS7.2 NT7_CS7.2 NT9_CS7.2 NT11_CS7.2 Q4_PT7.3 R5_CS7.2 R6_CS7.2 R64_CS7.2 R67_CS7.2 R70_CS7.2 R73_CS7.2
NetNT1_CS8_2: NT1_CS8.2 NT3_CS8.2 NT5_CS8.2 NT7_CS8.2 NT9_CS8.2 NT11_CS8.2 Q4_PT8.3 R5_CS8.2 R6_CS8.2 R64_CS8.2 R67_CS8.2 R70_CS8.2 R73_CS8.2
NetQ4_PT1_1: Q4_PT1.1 R81_PT1.2 R82_PT1.2 | length 1.7
  L1 w0.5: R81_PT1.2@-47.75,31.5 R82_PT1.2@-47.75,33.2
NetQ4_PT2_1: Q4_PT2.1 R81_PT2.2 R82_PT2.2
NetQ4_PT3_1: Q4_PT3.1 R81_PT3.2 R82_PT3.2
NetQ4_PT4_1: Q4_PT4.1 R81_PT4.2 R82_PT4.2
NetQ4_PT5_1: Q4_PT5.1 R81_PT5.2 R82_PT5.2
NetQ4_PT6_1: Q4_PT6.1 R81_PT6.2 R82_PT6.2
NetQ4_PT7_1: Q4_PT7.1 R81_PT7.2 R82_PT7.2
NetQ4_PT8_1: Q4_PT8.1 R81_PT8.2 R82_PT8.2
NetQ5_1: Q5.1 R90.2 R91.2
NetQ6_1: Q6.1 R89.2 R92.2
NetQ7_1: Q7.1 R88.2 R93.2
NetQ8_1: Q8.1 R176.2 R181.1
NetQ9_1: Q9.1 R119.2 R120.1
NetQ10_1: Q10.1 R135.1 R153.2
NetR83_PT1_2: R83_PT1.2 U4_PT1.2
NetR83_PT2_2: R83_PT2.2 U4_PT2.2
NetR83_PT3_2: R83_PT3.2 U4_PT3.2
NetR83_PT4_2: R83_PT4.2 U4_PT4.2
NetR83_PT5_2: R83_PT5.2 U4_PT5.2
NetR83_PT6_2: R83_PT6.2 U4_PT6.2
NetR83_PT7_2: R83_PT7.2 U4_PT7.2
NetR83_PT8_2: R83_PT8.2 U4_PT8.2
NetR88_1: R88.1 U7.19
NetR89_1: R89.1 U7.10
NetR90_1: R90.1 U7.11
NetR96_1: R96.1 R97.2
NetR97_1: R97.1 R98.2
NetR98_1: R98.1 R99.2
NetR99_1: R99.1 R100.2
NetR113_1: R113.1 U10.6 | length 1.3
  L1 w0.15: R113.1@73.95,-1.4 74.3,-1.75 U10.6@75.1,-1.75
NetR115_2: R115.2 U10.4 | length 2
  L1 w0.15: R115.2@73.95,-0.2 74.808,-0.2 75.208,-0.6 U10.4@75.75,-0.6
NetR116_1: R116.1 U10.9 | length 2
  L1 w0.15: R116.1@73.95,-3.8 74.808,-3.8 75.208,-3.4 U10.9@75.75,-3.4
NetR122_2: R122.2 U10.7 | length 1.3
  L1 w0.15: R122.2@73.95,-2.6 74.3,-2.25 U10.7@75.1,-2.25
NetR125_1: R125.1 R126.2 U1.1
NetR127_1: R127.1 R128.2 U2.1
NetR131_2: R131.2 U18.13
NetR133_2: R133.2 U18.12
NetR134_2: R134.2 U18.11
NetR135_2: R135.2 U18.10
NetR137_2: R137.2 U19.20 | length 3.4
  L1 w0.15: R137.2@-25.45,-4.4 -23.9,-4.4 -22.9,-3.4 U19.20@-22.9,-2.925